# KiCad board Handpad.kicad_pcb
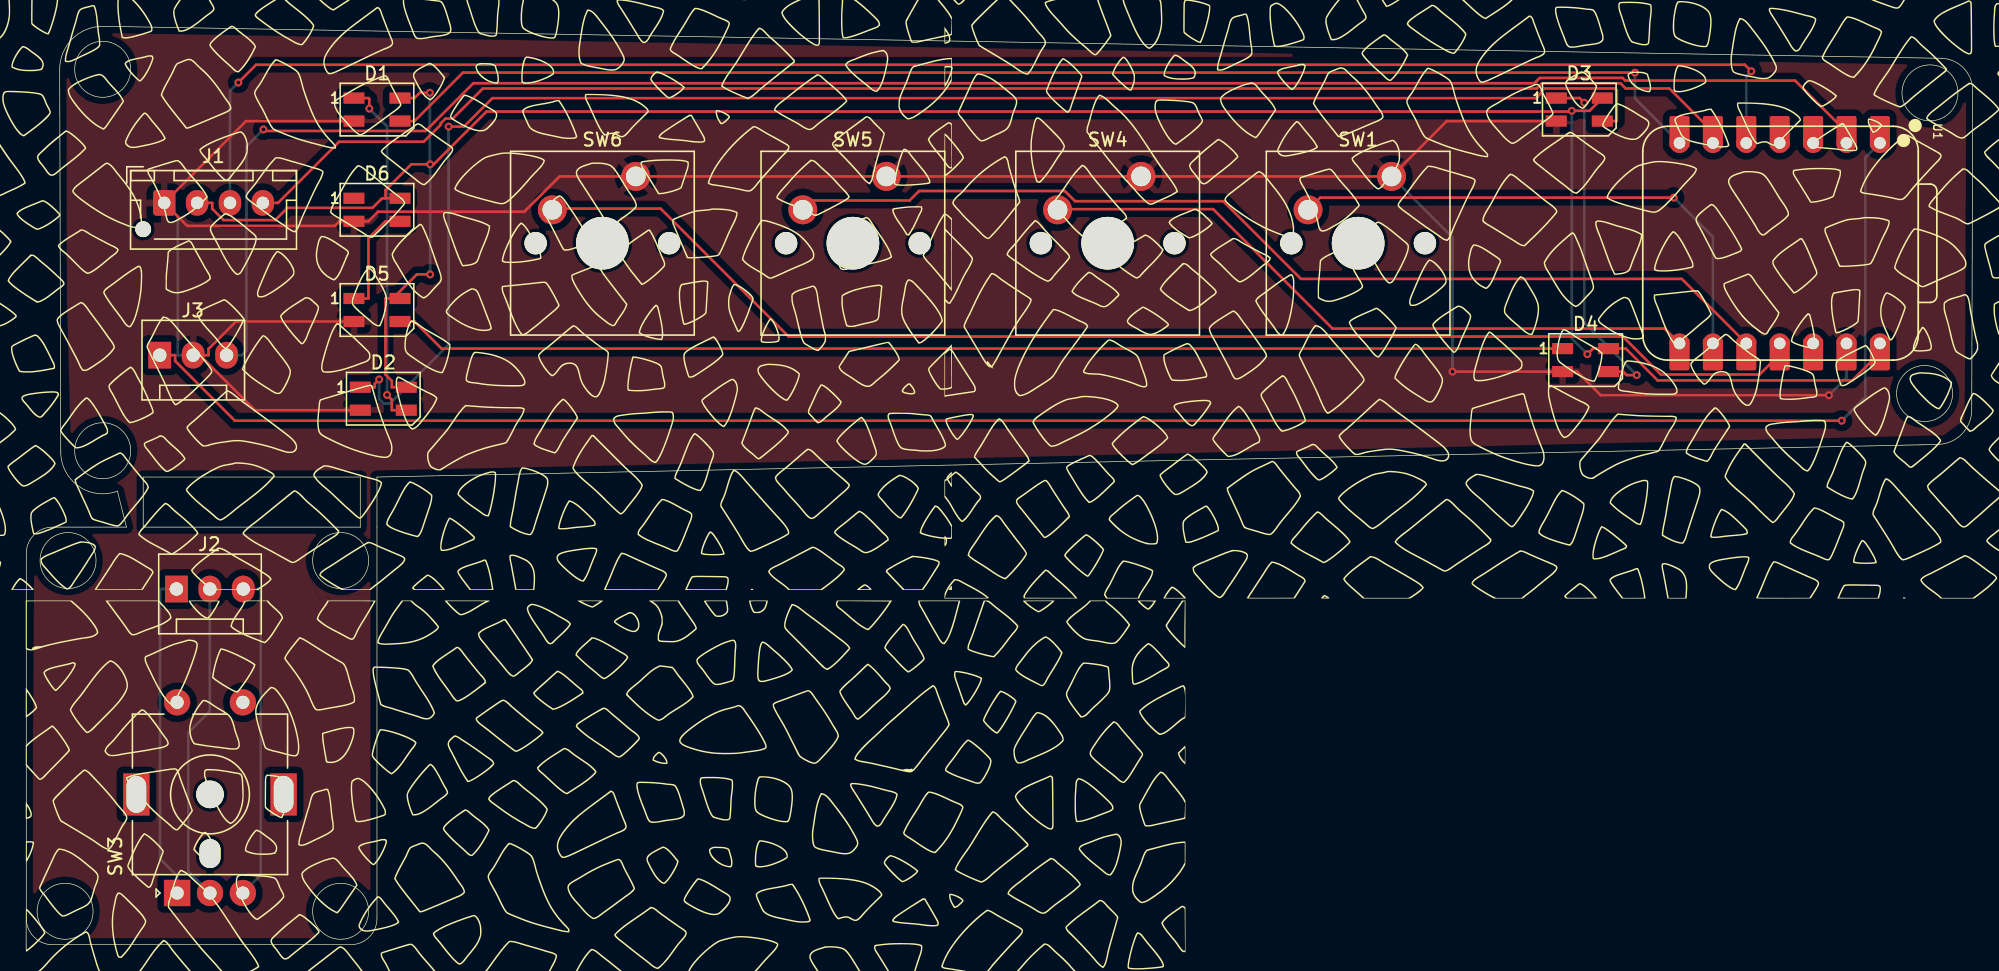
[diagram p0: board, top side]
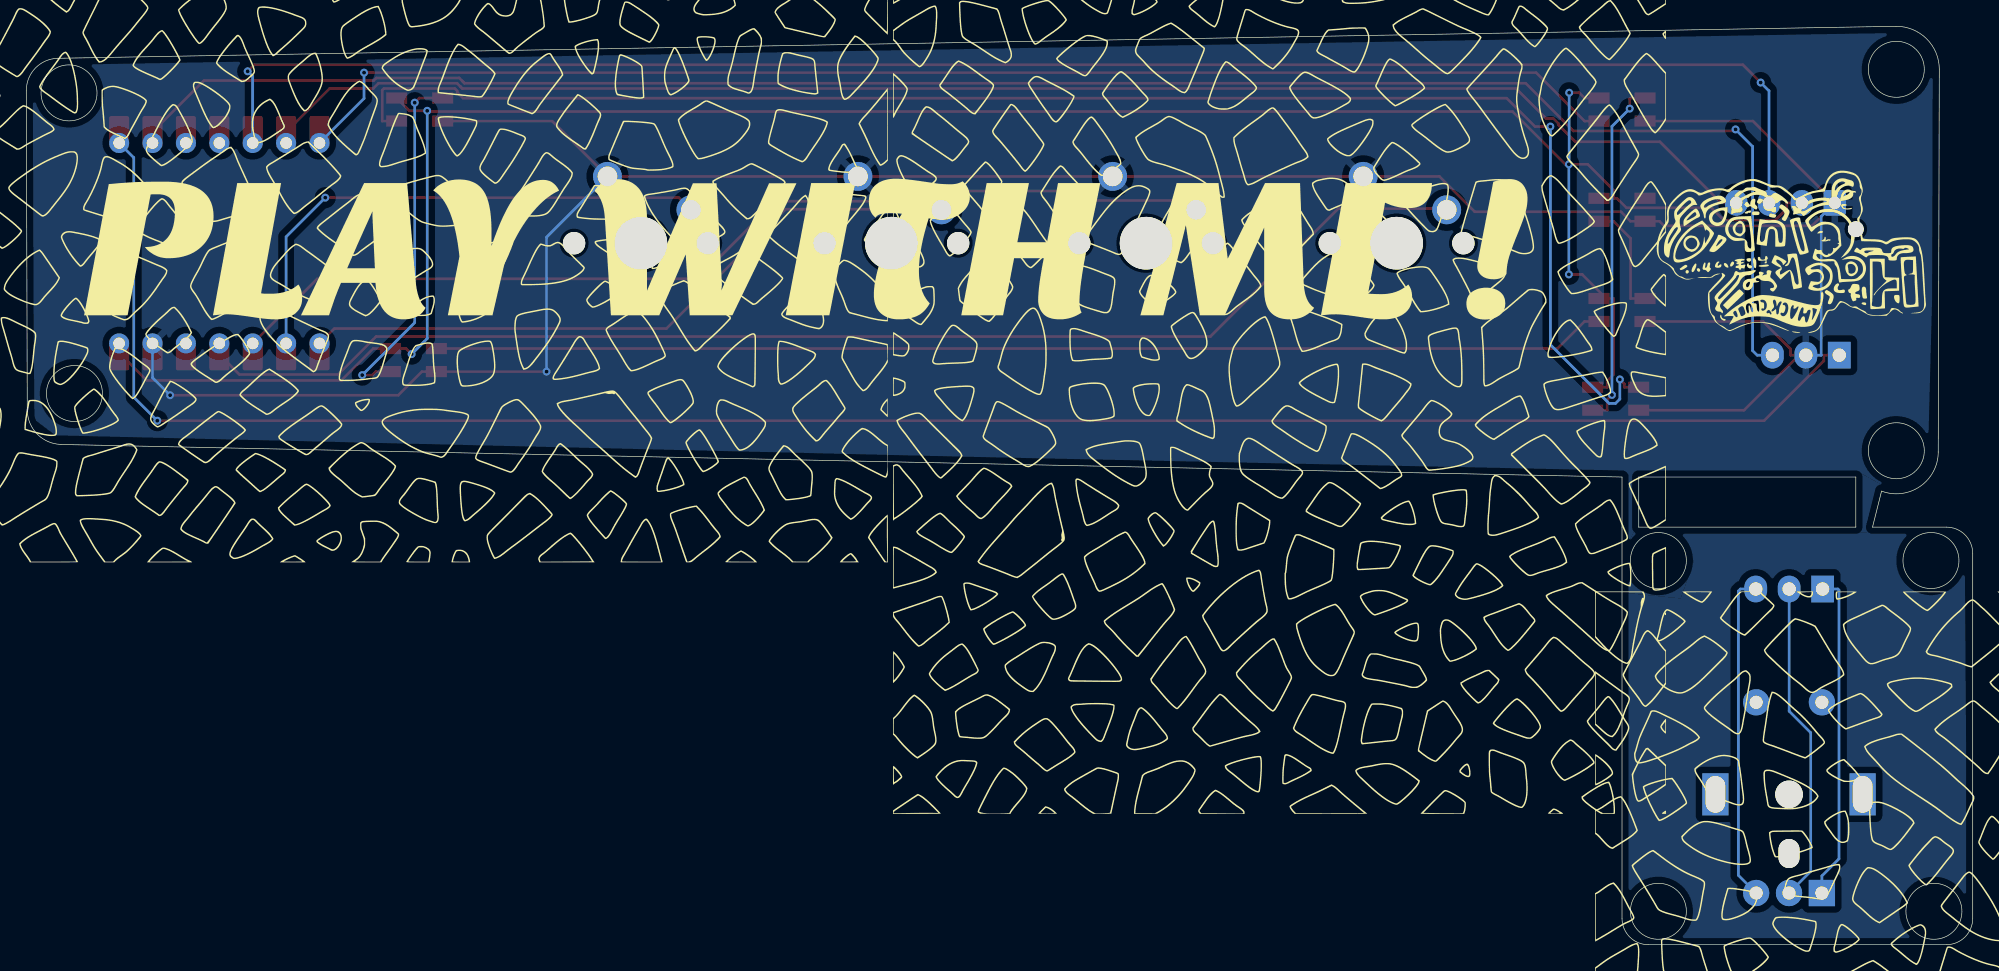
[diagram p1: board, bottom side, seen from below]

Outline 148.03 x 69.83 mm; copper layers: Top, Bottom. Coordinates in mm from the lower left corner of the outline.
Outline path: circle c2.95,2.54 r2.13 ; circle c3.17,29.21 r2.13 ; circle c5.81,66.56 r2.13 ; circle c5.81,37.56 r2.13 ; circle c23.91,29.21 r2.13 ; circle c23.91,2.54 r2.13 ; circle c144.37,41.91 r2.13 ; circle c144.78,64.77 r2.13 ; 2.54,66.57 2.62,37.46 ; 2.54,66.56 arc(3.51,68.88) 5.84,69.83 145.6,67.4 arc(147.32,66.67) 148.03,64.95 147.95,40.64 arc(147.19,38.82) 145.38,38.04 26.67,35.56 26.67,2 arc(26.08,0.59) 24.67,0 2,0 arc(0.59,0.59) 0,2 0,29.75 arc(0.59,31.16) 2,31.75 7.62,31.75 6.93,34.49 arc(4,34.85) 2.62,37.47 ; 8.89,35.56 8.89,31.75 25.4,31.75 25.4,35.56 8.89,35.56

## Placement (name value [footprint] x y rotation side)
D1  SK6812MINI  [LED_SK6812MINI_PLCC4_3.5x3.5mm_P1.75mm]  26.67 63.5 0 top
D2  SK6812MINI  [LED_SK6812MINI_PLCC4_3.5x3.5mm_P1.75mm]  27.15 41.52 0 top
D3  SK6812MINI  [LED_SK6812MINI_PLCC4_3.5x3.5mm_P1.75mm]  118.11 63.5 0 top
D4  SK6812MINI  [LED_SK6812MINI_PLCC4_3.5x3.5mm_P1.75mm]  118.59 44.45 0 top
D5  SK6812MINI  [LED_SK6812MINI_PLCC4_3.5x3.5mm_P1.75mm]  26.67 48.26 0 top
D6  SK6812MINI  [LED_SK6812MINI_PLCC4_3.5x3.5mm_P1.75mm]  26.67 55.88 0 top
J1  Conn_01x04_Pin  [JST_XH_B4B-XH-AM_1x04_P2.50mm_Vertical]  10.49 56.41 0 top
J2  Conn_01x03_Pin  [FanPinHeader_1x03_P2.54mm_Vertical]  11.42 27.05 0 top
J3  Conn_01x03_Pin  [FanPinHeader_1x03_P2.54mm_Vertical]  10.15 44.82 0 top
SW1  SW_Push  [SW_Cherry_MX_1.00u_PCB]  103.83 58.42 0 top
SW3  RotaryEncoder  [RotaryEncoder_Alps_EC11E-Switch_Vertical_H20mm_MountingHoles]  11.47 3.93 90 top
SW4  SW_Push  [SW_Cherry_MX_1.00u_PCB]  84.78 58.42 0 top
SW5  SW_Push  [SW_Cherry_MX_1.00u_PCB]  65.4 58.42 0 top
SW6  SW_Push  [SW_Cherry_MX_1.00u_PCB]  46.36 58.42 0 top
U1  -  [XIAO-RP2040-DIP]  133.35 53.34 270 top

## Library data of the parts
D1-D6 = -: Datasheet: https://cdn-shop.adafruit.com/product-files/2686/SK6812MINI_REV.01-1-2.pdf; Description: RGB LED with integrated controller; ki_fp_filters: LED*SK6812MINI*PLCC*3.5x3.5mm*P1.75mm*
J1 = -: Description: Generic connector, single row, 01x04, script generated; ki_fp_filters: Connector*:*_1x??_*
J2 J3 = -: Description: Generic connector, single row, 01x03, script generated; ki_fp_filters: Connector*:*_1x??_*
SW1 SW4-SW6 = -: Description: Push button switch, generic, two pins
SW3 = -: Description: Rotary encoder, dual channel, incremental quadrate outputs; ki_fp_filters: RotaryEncoder*

## Footprints (pads in the part's own frame, mm; a bottom-side part is the same pattern mirrored in y, then rotated)
FanPinHeader_1x03_P2.54mm_Vertical
  rect 1.73x2.03 hole 1.02: 1(0,0)
  oval 1.73x2.03 hole 1.02: 2(2.54,0) 3(5.08,0)
JST_XH_B4B-XH-AM_1x04_P2.50mm_Vertical
  round 1.2 hole 1.2 unplated: (-1.6,-2)
  rrect 1.7x1.95 hole 0.95: 1(0,0)
  oval 1.7x1.95 hole 0.95: 2(2.5,0) 3(5,0) 4(7.5,0)
LED_SK6812MINI_PLCC4_3.5x3.5mm_P1.75mm
  rect 1.6x0.85 smd: 1(-1.75,0.875) 2(-1.75,-0.875) 3(1.75,-0.875) 4(1.75,0.875)
RotaryEncoder_Alps_EC11E-Switch_Vertical_H20mm_MountingHoles
  oval 2.2x1.6 hole 2.2x1.6 unplated: (3,-2.5)
  round 2.1 hole 2.1 unplated: (7.5,-2.5)
  rect 2x2 hole 1: A(0,0)
  round 2 hole 1: B(0,-5) C(0,-2.5) S1(14.5,-5) S2(14.5,0)
  rect 3.2x2 hole 2.8x1.5: MP(7.5,3.1) MP(7.5,-8.1)
SW_Cherry_MX_1.00u_PCB
  round 1.7 hole 1.7 unplated: (-7.62,-5.08) (2.54,-5.08)
  round 4 hole 4 unplated: (-2.54,-5.08)
  round 2.2 hole 1.5: 1(0,0) 2(-6.35,-2.54)
XIAO-RP2040-DIP
  rrect 2.432x1.524 smd: 1(-8.455,7.62) 2(-8.455,5.08) 3(-8.455,2.54) 4(-8.455,0) 5(-8.455,-2.54) 6(-8.455,-5.08) 7(-8.455,-7.62) 8(8.455,-7.62) 9(8.455,-5.08) 10(8.455,-2.54) 11(8.455,0) 12(8.455,2.54) 13(8.455,5.08) 14(8.455,7.62)
  round 1.524 hole 0.889: 1(-7.62,7.62) 2(-7.62,5.08) 3(-7.62,2.54) 4(-7.62,0) 5(-7.62,-2.54) 6(-7.62,-5.08) 7(-7.62,-7.62) 8(7.62,-7.62) 9(7.62,-5.08) 10(7.62,-2.54) 11(7.62,0) 12(7.62,2.54) 13(7.62,5.08) 14(7.62,7.62)

## Nets
+5V: D1.4 D2.4 D3.4 D4.4 D5.4 D6.4 J1.2 U1.14
GND: D1.2 D2.2 D3.2 D4.2 D5.2 D6.2 J1.1 J3.2 SW1.1 SW4.1 SW5.1 SW6.1 U1.13
EN1: J3.1 U1.1
EN2: J3.3 U1.2
S1: SW6.2 U1.11
S2: SW5.2 U1.10
S3: SW1.2 U1.9
S4: SW4.2 U1.8
SCL: J1.3 U1.5
SDA: J1.4 U1.6
Net-(D1-DIN): D1.3 U1.7
Net-(D1-DOUT): D1.1 D2.3
Net-(D2-DOUT): D2.1 D3.3
Net-(D3-DOUT): D3.1 D4.3
Net-(D4-DOUT): D4.1 D5.3
Net-(D5-DOUT): D5.1 D6.3
Net-(J2-Pin_1): J2.1 SW3.A
Net-(J2-Pin_2): J2.2 SW3.C
Net-(J2-Pin_3): J2.3 SW3.B

Pads without a net: D6 1; SW3 MP S1 S2; U1 3 4 12

## Via types
v1: diameter 0.6, hole 0.3, Top to Bottom, 19 vias

## Routing (per net, layer and track width the routed paths; a pad name or vN(x,y) marks a point on that pad's centre or on a via; arc(x,y) is an arc through that point)
+5V: length 186.3
  Top w0.2: v1(118.72,44.9) 119.14,45.32 D4.4 121.65,45.32 124.07,42.91 138.87,42.91 140.97,45 140.97,45.14 ; v1(30.71,50.97) 29.7,50.97 27.87,49.13 ; 27.32,56.75 27.06,56.75 26.33,56.03 19.87,56.03 18.93,55.1 15,55.1 14.14,55.95 14.14,56.41 J1.2 ; 27.32,56.75 D6.4 ; 27.32,56.75 27.32,57.38 29.28,59.34 v1(30.71,59.34) 30.98,59.34 35,63.35 117.48,63.35 v1(117.54,63.41) 118.89,63.41 D3.4 ; D5.4 27.87,49.13 ; 27.87,49.13 27.32,49.13 27.32,43.35 27.8,42.87 27.8,42.39 D2.4 ; v1(30.69,64.78) 29.93,64.78 29.52,64.38 D1.4 ; U1.14 140.97,45.14 ; 140.97,45.14 U1.14
  Bottom w0.2: v1(30.69,64.78) 30.69,59.36 v1(30.71,59.34) v1(30.71,50.97) ; v1(118.72,44.9) 117.54,46.09 v1(117.54,63.41)
GND: length 219
  Top w0.2: J3.2 13.2,44.82 ; 13.2,44.82 13.86,44.82 13.86,45.3 15.94,47.38 23.82,47.38 23.82,47.38 D5.2 ; 13.2,44.82 17.39,40.64 D2.2 ; D1.2 16.71,62.62 J1.1 12.23,54.66 23.47,54.66 23.82,55 D6.2 26.02,55 26.75,55.73 37.87,55.73 40.56,58.42 SW6.1 SW5.1 SW4.1 SW1.1 108.04,62.62 D3.2 ; v1(137.09,41.78) 119.74,41.78 117.94,43.57 D4.2 v1(108.46,43.57) ; U1.13 U1.13
  Bottom w0.2: J3.2 11.52,44.82 11.52,55.37 J1.1 ; SW1.1 108.46,53.79 v1(108.46,43.57) ; v1(137.09,41.78) 138.43,43.12 U1.13
EN1: length 153.4
  Top w0.2: v1(138.07,39.84) 15.86,39.84 11.32,44.39 11.32,44.82 J3.1 ; U1.1 U1.1
  Bottom w0.2: v1(138.07,39.84) 139.86,41.63 139.86,59.85 U1.1
EN2: length 143.9
  Top w0.2: U1.2 U1.2 134.52,65.7 121.61,65.7 121.4,65.91 115.1,65.91 114.87,65.67 ; 114.87,65.67 114.7,65.5 ; 114.87,65.67 114.7,65.5 ; 114.7,65.5 34,65.5 30.37,61.87 18.15,61.87 v1(18.04,61.99)
  Bottom w0.2: v1(18.04,61.99) 16.74,60.69 16.74,45.17 16.4,44.82 J3.3
S1: length 100.1
  Top w0.2: U1.11 U1.11 131.82,43.36 124.31,43.36 121.42,46.24 57.97,46.24 48.25,55.97 40.09,55.97 SW6.2
S2: length 78
  Top w0.2: U1.10 U1.10 125.9,50.63 96.94,50.63 91.04,56.53 79.76,56.53 78.98,57.31 67.9,57.31 67.18,56.59 59.76,56.59 SW5.2
S3: length 41.3
  Top w0.2: v1(125.29,56.8) 98.4,56.8 SW1.2 ; U1.9 U1.9
  Bottom w0.2: v1(125.29,56.8) 128.27,53.82 U1.9
S4: length 52.4
  Top w0.2: U1.8 U1.8 124.6,46.85 99.35,46.85 90.26,55.93 78.48,55.93 SW4.2
SCL: length 131.7
  Top w0.2: v1(131.19,66.41) 130.69,66.91 17.48,66.91 v1(16.13,65.56) ; U1.5 U1.5
  Bottom w0.2: v1(131.19,66.41) 130.81,66.03 U1.5 ; v1(16.13,65.56) 15.49,64.92 J1.3
SDA: length 116.7
  Top w0.2: 115.03,65.27 114.87,65.1 ; 115.03,65.27 115.27,65.5 121.24,65.5 121.64,65.1 124.96,65.1 U1.6 U1.6 ; 115.03,65.27 114.87,65.1 ; 114.87,65.1 34.72,65.1 32.43,62.81 31.87,62.81 31.52,62.46 31.52,62.35 30.22,61.06 23.79,61.06 19.14,56.41 J1.4
Net-(D1-DIN): length 103
  Top w0.2: v1(122.34,66.31) 33.2,66.31 29.52,62.62 D1.3 ; U1.7 U1.7
  Bottom w0.2: U1.7 122.34,64.35 v1(122.34,66.31)
Net-(D1-DOUT): length 26.7
  Top w0.2: D1.1 26.02,64.38 26.09,64.31 v1(26.09,63.57) ; D2.3 27.8,40.64 27.8,41.44 v1(27.44,41.8)
  Bottom w0.2: v1(26.09,63.57) 27.44,62.22 27.44,41.8 v1(27.44,41.8)
Net-(D2-DOUT): length 120.8
  Top w0.2: D3.3 120.96,62.62 120.96,64.98 120.84,65.1 115.43,65.1 115.26,64.92 115.26,64.81 114.81,64.37 35.45,64.37 33.28,62.21 v1(32.12,62.21) ; D2.1 26.5,42.39 26.5,42.65 v1(26.84,42.98)
  Bottom w0.2: v1(32.12,62.21) 32.12,45.63 27.65,41.16 27.16,41.16 26.83,41.49 26.83,42.98 v1(26.84,42.98)
Net-(D3-DOUT): length 26.9
  Top w0.2: D3.1 118.14,64.38 v1(118.49,64.03) ; v1(122.48,43.31) 121.71,43.31 121.44,43.57 D4.3
  Bottom w0.2: v1(118.49,64.03) 118.49,47.3 v1(122.48,43.31)
Net-(D4-DOUT): length 89.3
  Top w0.2: D4.1 31.58,45.32 29.52,47.38 D5.3
Net-(D5-DOUT): length 8.6
  Top w0.2: D5.1 26.02,49.13 26.02,53.71 27.32,55 D6.3
Net-(J2-Pin_1): length 24.9
  Bottom w0.2: J2.1 10.25,27.05 10.17,26.96 10.17,6.53 11.47,5.23 SW3.A
Net-(J2-Pin_2): length 24.5
  Bottom w0.2: J2.2 13.96,17.76 12.32,16.12 12.32,5.58 SW3.C
Net-(J2-Pin_3): length 24.9
  Bottom w0.2: J2.3 17.67,27.05 17.83,26.89 17.83,5.29 SW3.B
unconnected-(U1-3V3-Pad12): length 0.8
  Top w0.2: U1.12 U1.12

## Copper pours and planes (outline as drawn; the poured copper is in the pictures)
GND on Top, Bottom: 22.61,31.53 25.61,31.73 26.41,30.13 26.21,26.73 22.21,26.33 21.21,29.13
GND on Top, Bottom: 6.84,34.93 8.08,31.33 8.61,31.33 8.65,35.93
GND on Top, Bottom: 5.21,69.33 146.01,67.13 147.61,65.93 147.41,39.93 145.81,38.73 26.41,35.93 26.41,1.53 25.41,0.33 1.61,0.33 0.41,1.53 0.61,30.73 1.41,31.13 2.41,31.53 25.61,31.73 25.61,35.93 8.65,35.93 6.84,34.93 4.21,35.33 3.41,36.93 2.81,59.73 3.01,67.13 4.01,68.53
